# Altium PCB PCB2.PcbDoc (part 7 of 9)
Units mil, origin at the board's own origin, x right, y up, seen from the top; angles counter-clockwise.
Board outline 7580 x 7350 mil, 6 copper layers (Signal 1, Ground 1, 2V5 and 0V6, n2V5 and n0V6, Ground 2, Signal 2), stack 52.268 mil thick; 572 components, 533 nets, 2081 pads, 679 vias.
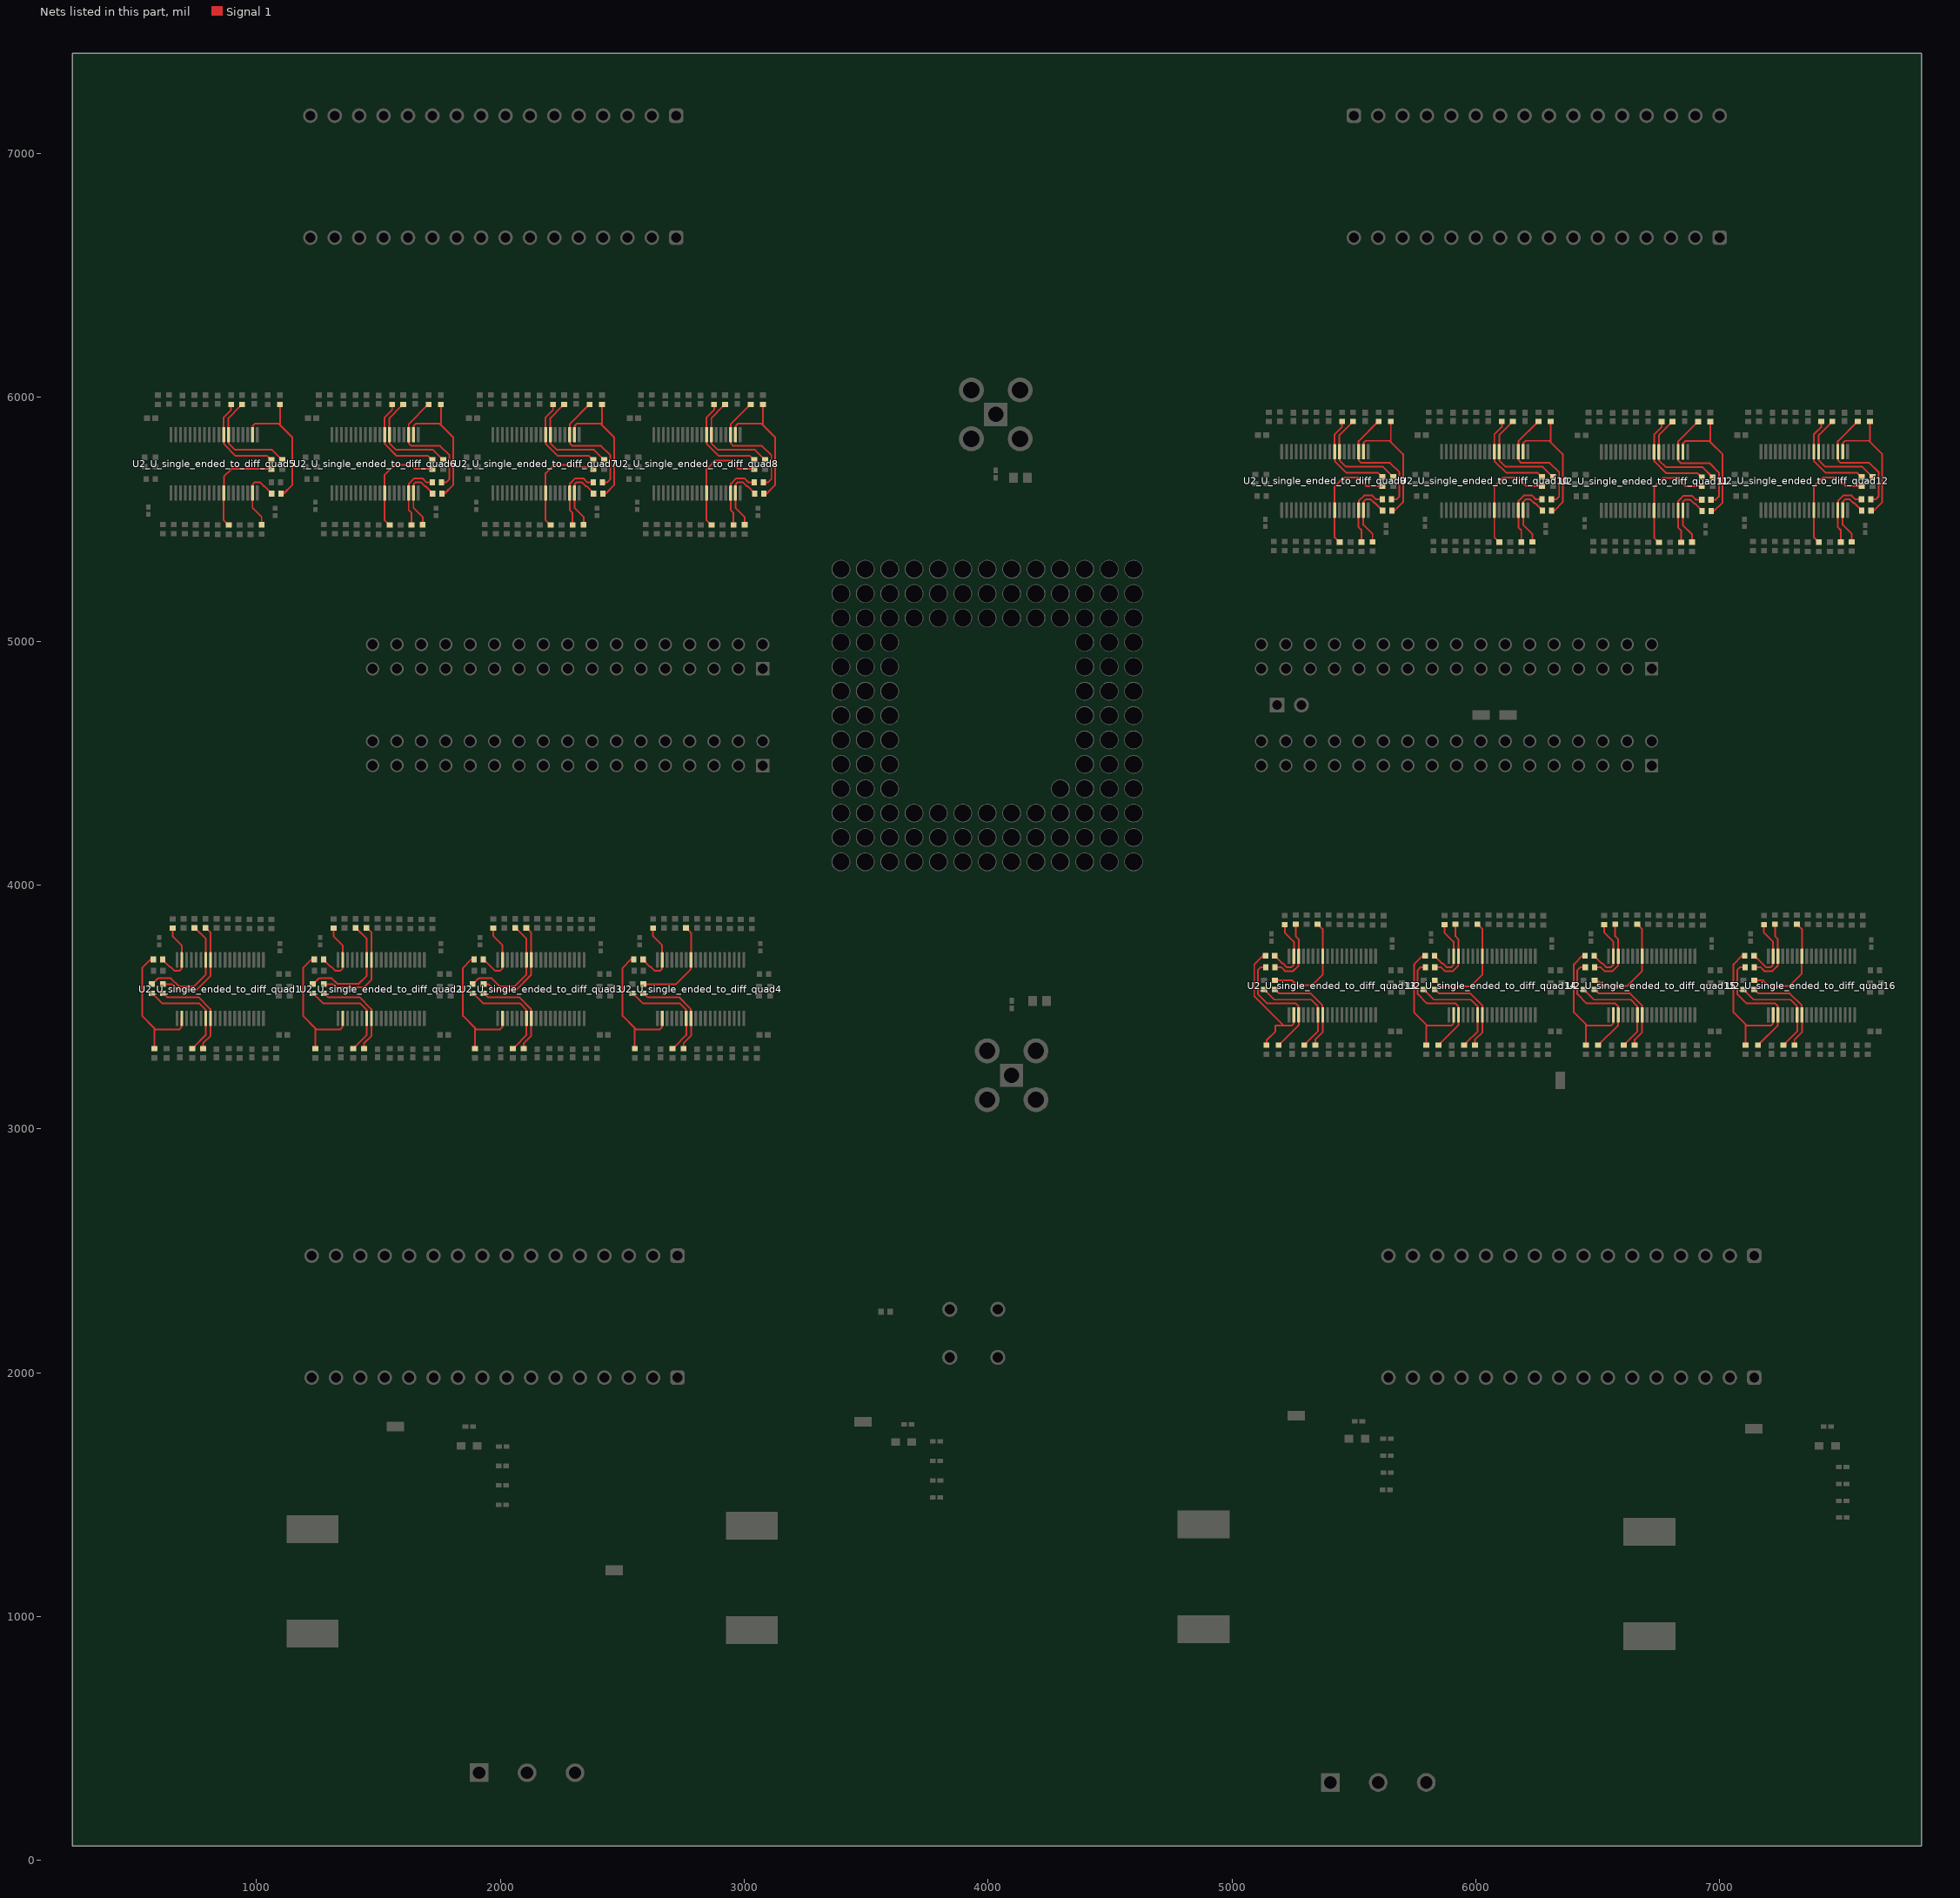
[diagram p11: the nets of this part, all layers, seen from the top]

## Via types
v1: diameter 24, hole 12, Signal 1 to Signal 2, tented both sides, 679 vias

## Nets (pads, with @x,y where several pads share a name; then routed paths per layer and width w, separated by ;. In a path a pad name is that pad's centre, name@x,y a point inside that pad or via, vN(x,y) a via of type N, cw(c..) or ccw(c..) an arc to the next point about the centre after c; other vN are vias at no path point) (continued)
NetR8_U_single_ended_to_diff_quad6_1: R8_U_single_ended_to_diff_quad6.1 R9_U_single_ended_to_diff_quad6.2 U2_U_single_ended_to_diff_quad6.3 | length 517.5
  Signal 1 w7: R9_U_single_ended_to_diff_quad6.2@1706.68,5971.1 1705.5,5971.1 1624.48,5890.08 U2_U_single_ended_to_diff_quad6.3@1624.48,5847.28 1625.26,5846.5 1625.26,5811.54 1635.8,5801 1753.4,5801 1791.89,5762.51 1791.89,5664.16 1779.5,5651.77 R8_U_single_ended_to_diff_quad6.1@1759.48,5651.77
NetR8_U_single_ended_to_diff_quad6_2: R8_U_single_ended_to_diff_quad6.2 R10_U_single_ended_to_diff_quad6.2 U2_U_single_ended_to_diff_quad6.36 | length 287.1
  Signal 1 w7: R10_U_single_ended_to_diff_quad6.2@1636.68,5476.1 1636.68,5525.28 1624.48,5537.48 1624.48,5634.84 1625.26,5635.62 1625.26,5645.81 1647.07,5667.62 1680.62,5667.62 1696.47,5651.77 R8_U_single_ended_to_diff_quad6.2@1721.68,5651.77
NetR8_U_single_ended_to_diff_quad7_1: R8_U_single_ended_to_diff_quad7.1 R9_U_single_ended_to_diff_quad7.2 U2_U_single_ended_to_diff_quad7.3 | length 517.5
  Signal 1 w7: R9_U_single_ended_to_diff_quad7.2@2366.68,5971.1 2365.5,5971.1 2284.48,5890.08 U2_U_single_ended_to_diff_quad7.3@2284.48,5847.28 2285.26,5846.5 2285.26,5811.54 2295.8,5801 2413.4,5801 2451.89,5762.51 2451.89,5664.16 2439.5,5651.77 R8_U_single_ended_to_diff_quad7.1@2419.48,5651.77
NetR8_U_single_ended_to_diff_quad7_2: R8_U_single_ended_to_diff_quad7.2 R10_U_single_ended_to_diff_quad7.2 U2_U_single_ended_to_diff_quad7.36 | length 287.1
  Signal 1 w7: R10_U_single_ended_to_diff_quad7.2@2296.68,5476.1 2296.68,5525.28 2284.48,5537.48 2284.48,5634.84 2285.26,5635.62 2285.26,5645.81 2307.07,5667.62 2340.62,5667.62 2356.47,5651.77 R8_U_single_ended_to_diff_quad7.2@2381.68,5651.77
NetR8_U_single_ended_to_diff_quad8_1: R8_U_single_ended_to_diff_quad8.1 R9_U_single_ended_to_diff_quad8.2 U2_U_single_ended_to_diff_quad8.3 | length 517.5
  Signal 1 w7: R9_U_single_ended_to_diff_quad8.2@3026.68,5971.1 3025.5,5971.1 2944.48,5890.08 U2_U_single_ended_to_diff_quad8.3@2944.48,5847.28 2945.26,5846.5 2945.26,5811.54 2955.8,5801 3073.4,5801 3111.89,5762.51 3111.89,5664.16 3099.5,5651.77 R8_U_single_ended_to_diff_quad8.1@3079.48,5651.77
NetR8_U_single_ended_to_diff_quad8_2: R8_U_single_ended_to_diff_quad8.2 R10_U_single_ended_to_diff_quad8.2 U2_U_single_ended_to_diff_quad8.36 | length 287.1
  Signal 1 w7: R10_U_single_ended_to_diff_quad8.2@2956.68,5476.1 2956.68,5525.28 2944.48,5537.48 2944.48,5634.84 2945.26,5635.62 2945.26,5645.81 2967.07,5667.62 3000.62,5667.62 3016.47,5651.77 R8_U_single_ended_to_diff_quad8.2@3041.68,5651.77
NetR8_U_single_ended_to_diff_quad9_1: R8_U_single_ended_to_diff_quad9.1 R9_U_single_ended_to_diff_quad9.2 U2_U_single_ended_to_diff_quad9.3 | length 517.5
  Signal 1 w7: R9_U_single_ended_to_diff_quad9.2@5601.68,5901.1 5600.5,5901.1 5519.48,5820.08 U2_U_single_ended_to_diff_quad9.3@5519.48,5777.28 5520.26,5776.5 5520.26,5741.54 5530.8,5731 5648.4,5731 5686.89,5692.51 5686.89,5594.16 5674.5,5581.77 R8_U_single_ended_to_diff_quad9.1@5654.48,5581.77
NetR8_U_single_ended_to_diff_quad9_2: R8_U_single_ended_to_diff_quad9.2 R10_U_single_ended_to_diff_quad9.2 U2_U_single_ended_to_diff_quad9.36 | length 287.1
  Signal 1 w7: R10_U_single_ended_to_diff_quad9.2@5531.68,5406.1 5531.68,5455.28 5519.48,5467.48 5519.48,5564.84 5520.26,5565.62 5520.26,5575.81 5542.07,5597.62 5575.62,5597.62 5591.47,5581.77 R8_U_single_ended_to_diff_quad9.2@5616.68,5581.77
NetR8_U_single_ended_to_diff_quad10_1: R8_U_single_ended_to_diff_quad10.1 R9_U_single_ended_to_diff_quad10.2 U2_U_single_ended_to_diff_quad10.3 | length 517.5
  Signal 1 w7: R9_U_single_ended_to_diff_quad10.2@6256.68,5901.1 6255.5,5901.1 6174.48,5820.08 U2_U_single_ended_to_diff_quad10.3@6174.48,5777.28 6175.26,5776.5 6175.26,5741.54 6185.8,5731 6303.4,5731 6341.89,5692.51 6341.89,5594.16 6329.5,5581.77 R8_U_single_ended_to_diff_quad10.1@6309.48,5581.77
NetR8_U_single_ended_to_diff_quad10_2: R8_U_single_ended_to_diff_quad10.2 R10_U_single_ended_to_diff_quad10.2 U2_U_single_ended_to_diff_quad10.36 | length 287.1
  Signal 1 w7: R10_U_single_ended_to_diff_quad10.2@6186.68,5406.1 6186.68,5455.28 6174.48,5467.48 6174.48,5564.84 6175.26,5565.62 6175.26,5575.81 6197.07,5597.62 6230.62,5597.62 6246.47,5581.77 R8_U_single_ended_to_diff_quad10.2@6271.68,5581.77
NetR8_U_single_ended_to_diff_quad11_1: R8_U_single_ended_to_diff_quad11.1 R9_U_single_ended_to_diff_quad11.2 U2_U_single_ended_to_diff_quad11.3 | length 517.5
  Signal 1 w7: R9_U_single_ended_to_diff_quad11.2@6911.68,5900 6910.5,5900 6829.48,5818.98 U2_U_single_ended_to_diff_quad11.3@6829.48,5776.18 6830.26,5775.4 6830.26,5740.44 6840.8,5729.9 6958.4,5729.9 6996.89,5691.41 6996.89,5593.06 6984.5,5580.67 R8_U_single_ended_to_diff_quad11.1@6964.48,5580.67
NetR8_U_single_ended_to_diff_quad11_2: R8_U_single_ended_to_diff_quad11.2 R10_U_single_ended_to_diff_quad11.2 U2_U_single_ended_to_diff_quad11.36 | length 287.1
  Signal 1 w7: R10_U_single_ended_to_diff_quad11.2@6841.68,5405 6841.68,5454.17 6829.48,5466.38 6829.48,5563.74 6830.26,5564.52 6830.26,5574.71 6852.07,5596.52 6885.62,5596.52 6901.47,5580.67 R8_U_single_ended_to_diff_quad11.2@6926.68,5580.67
NetR8_U_single_ended_to_diff_quad12_1: R8_U_single_ended_to_diff_quad12.1 R9_U_single_ended_to_diff_quad12.2 U2_U_single_ended_to_diff_quad12.3 | length 517.5
  Signal 1 w7: R9_U_single_ended_to_diff_quad12.2@7566.68,5901.1 7565.5,5901.1 7484.48,5820.08 U2_U_single_ended_to_diff_quad12.3@7484.48,5777.28 7485.26,5776.5 7485.26,5741.54 7495.8,5731 7613.4,5731 7651.89,5692.51 7651.89,5594.16 7639.5,5581.77 R8_U_single_ended_to_diff_quad12.1@7619.48,5581.77
NetR8_U_single_ended_to_diff_quad12_2: R8_U_single_ended_to_diff_quad12.2 R10_U_single_ended_to_diff_quad12.2 U2_U_single_ended_to_diff_quad12.36 | length 287.1
  Signal 1 w7: R10_U_single_ended_to_diff_quad12.2@7496.68,5406.1 7496.68,5455.28 7484.48,5467.48 7484.48,5564.84 7485.26,5565.62 7485.26,5575.81 7507.07,5597.62 7540.62,5597.62 7556.47,5581.77 R8_U_single_ended_to_diff_quad12.2@7581.68,5581.77
NetR8_U_single_ended_to_diff_quad13_1: R8_U_single_ended_to_diff_quad13.1 R9_U_single_ended_to_diff_quad13.2 U2_U_single_ended_to_diff_quad13.3 | length 517.5
  Signal 1 w7: R8_U_single_ended_to_diff_quad13.1@5138.89,3663.23 5118.86,3663.23 5106.48,3650.84 5106.48,3552.49 5144.97,3514 5262.56,3514 5273.11,3503.46 5273.11,3468.5 U2_U_single_ended_to_diff_quad13.3@5273.89,3467.72 5273.89,3424.92 5192.86,3343.9 R9_U_single_ended_to_diff_quad13.2@5191.68,3343.9
NetR8_U_single_ended_to_diff_quad13_2: R8_U_single_ended_to_diff_quad13.2 R10_U_single_ended_to_diff_quad13.2 U2_U_single_ended_to_diff_quad13.36 | length 287.1
  Signal 1 w7: R8_U_single_ended_to_diff_quad13.2@5176.68,3663.23 5201.89,3663.23 5217.74,3647.38 5251.29,3647.38 5273.11,3669.19 5273.11,3679.38 5273.89,3680.16 5273.89,3777.52 5261.68,3789.72 R10_U_single_ended_to_diff_quad13.2@5261.68,3838.9
NetR8_U_single_ended_to_diff_quad14_1: R8_U_single_ended_to_diff_quad14.1 R9_U_single_ended_to_diff_quad14.2 U2_U_single_ended_to_diff_quad14.3 | length 517.5
  Signal 1 w7: R8_U_single_ended_to_diff_quad14.1@5793.89,3663.23 5773.86,3663.23 5761.48,3650.84 5761.48,3552.49 5799.97,3514 5917.56,3514 5928.11,3503.46 5928.11,3468.5 U2_U_single_ended_to_diff_quad14.3@5928.89,3467.72 5928.89,3424.92 5847.86,3343.9 R9_U_single_ended_to_diff_quad14.2@5846.68,3343.9
NetR8_U_single_ended_to_diff_quad14_2: R8_U_single_ended_to_diff_quad14.2 R10_U_single_ended_to_diff_quad14.2 U2_U_single_ended_to_diff_quad14.36 | length 287.1
  Signal 1 w7: R8_U_single_ended_to_diff_quad14.2@5831.68,3663.23 5856.89,3663.23 5872.74,3647.38 5906.29,3647.38 5928.11,3669.19 5928.11,3679.38 5928.89,3680.16 5928.89,3777.52 5916.68,3789.72 R10_U_single_ended_to_diff_quad14.2@5916.68,3838.9
NetR8_U_single_ended_to_diff_quad15_1: R8_U_single_ended_to_diff_quad15.1 R9_U_single_ended_to_diff_quad15.2 U2_U_single_ended_to_diff_quad15.3 | length 517.5
  Signal 1 w7: R8_U_single_ended_to_diff_quad15.1@6448.89,3663.23 6428.86,3663.23 6416.48,3650.84 6416.48,3552.49 6454.97,3514 6572.56,3514 6583.11,3503.46 6583.11,3468.5 U2_U_single_ended_to_diff_quad15.3@6583.89,3467.72 6583.89,3424.92 6502.86,3343.9 R9_U_single_ended_to_diff_quad15.2@6501.68,3343.9
NetR8_U_single_ended_to_diff_quad15_2: R8_U_single_ended_to_diff_quad15.2 R10_U_single_ended_to_diff_quad15.2 U2_U_single_ended_to_diff_quad15.36 | length 287.1
  Signal 1 w7: R8_U_single_ended_to_diff_quad15.2@6486.68,3663.23 6511.89,3663.23 6527.74,3647.38 6561.29,3647.38 6583.11,3669.19 6583.11,3679.38 6583.89,3680.16 6583.89,3777.52 6571.68,3789.72 R10_U_single_ended_to_diff_quad15.2@6571.68,3838.9
NetR8_U_single_ended_to_diff_quad16_1: R8_U_single_ended_to_diff_quad16.1 R9_U_single_ended_to_diff_quad16.2 U2_U_single_ended_to_diff_quad16.3 | length 517.5
  Signal 1 w7: R8_U_single_ended_to_diff_quad16.1@7103.89,3663.23 7083.86,3663.23 7071.48,3650.84 7071.48,3552.49 7109.97,3514 7227.56,3514 7238.11,3503.46 7238.11,3468.5 U2_U_single_ended_to_diff_quad16.3@7238.89,3467.72 7238.89,3424.92 7157.86,3343.9 R9_U_single_ended_to_diff_quad16.2@7156.68,3343.9
NetR8_U_single_ended_to_diff_quad16_2: R8_U_single_ended_to_diff_quad16.2 R10_U_single_ended_to_diff_quad16.2 U2_U_single_ended_to_diff_quad16.36 | length 287.1
  Signal 1 w7: R8_U_single_ended_to_diff_quad16.2@7141.68,3663.23 7166.89,3663.23 7182.74,3647.38 7216.29,3647.38 7238.11,3669.19 7238.11,3679.38 7238.89,3680.16 7238.89,3777.52 7226.68,3789.72 R10_U_single_ended_to_diff_quad16.2@7226.68,3838.9
NetR11_U_single_ended_to_diff_quad1_2: R11_U_single_ended_to_diff_quad1.2 R13_U_single_ended_to_diff_quad1.1 U2_U_single_ended_to_diff_quad1.2 | length 565.9
  Signal 1 w7: R13_U_single_ended_to_diff_quad1.1@577.78,3695 566.68,3695 531.68,3660 531.68,3463.13 581.68,3413.13 ; R11_U_single_ended_to_diff_quad1.2@581.68,3328.9 581.68,3413.13 ; U2_U_single_ended_to_diff_quad1.2@694.2,3452.72 693.42,3451.94 693.42,3416.98 684.67,3408.22 586.59,3408.22 581.68,3413.13
NetR11_U_single_ended_to_diff_quad2_2: R11_U_single_ended_to_diff_quad2.2 R13_U_single_ended_to_diff_quad2.1 U2_U_single_ended_to_diff_quad2.2 | length 565.9
  Signal 1 w7: R13_U_single_ended_to_diff_quad2.1@1237.79,3695 1226.68,3695 1191.68,3660 1191.68,3463.13 1241.68,3413.13 ; R11_U_single_ended_to_diff_quad2.2@1241.68,3328.9 1241.68,3413.13 ; U2_U_single_ended_to_diff_quad2.2@1354.2,3452.72 1353.42,3451.94 1353.42,3416.98 1344.67,3408.22 1246.59,3408.22 1241.68,3413.13
NetR11_U_single_ended_to_diff_quad3_2: R11_U_single_ended_to_diff_quad3.2 R13_U_single_ended_to_diff_quad3.1 U2_U_single_ended_to_diff_quad3.2 | length 565.9
  Signal 1 w7: R13_U_single_ended_to_diff_quad3.1@1892.79,3695 1881.68,3695 1846.68,3660 1846.68,3463.13 1896.68,3413.13 ; R11_U_single_ended_to_diff_quad3.2@1896.68,3328.9 1896.68,3413.13 ; U2_U_single_ended_to_diff_quad3.2@2009.2,3452.72 2008.42,3451.94 2008.42,3416.98 1999.67,3408.22 1901.59,3408.22 1896.68,3413.13
NetR11_U_single_ended_to_diff_quad4_2: R11_U_single_ended_to_diff_quad4.2 R13_U_single_ended_to_diff_quad4.1 U2_U_single_ended_to_diff_quad4.2 | length 565.9
  Signal 1 w7: R13_U_single_ended_to_diff_quad4.1@2547.78,3695 2536.68,3695 2501.68,3660 2501.68,3463.13 2551.68,3413.13 ; R11_U_single_ended_to_diff_quad4.2@2551.68,3328.9 2551.68,3413.13 ; U2_U_single_ended_to_diff_quad4.2@2664.2,3452.72 2663.42,3451.94 2663.42,3416.98 2654.67,3408.22 2556.59,3408.22 2551.68,3413.13
NetR11_U_single_ended_to_diff_quad5_2: R11_U_single_ended_to_diff_quad5.2 R13_U_single_ended_to_diff_quad5.1 U2_U_single_ended_to_diff_quad5.2 | length 565.9
  Signal 1 w7: U2_U_single_ended_to_diff_quad5.2@984.16,5847.28 984.94,5848.06 984.94,5883.02 993.7,5891.78 1091.78,5891.78 1096.68,5886.87 ; R11_U_single_ended_to_diff_quad5.2@1096.68,5971.1 1096.68,5886.87 ; R13_U_single_ended_to_diff_quad5.1@1100.58,5605 1111.68,5605 1146.68,5640 1146.68,5836.87 1096.68,5886.87
NetR11_U_single_ended_to_diff_quad6_2: R11_U_single_ended_to_diff_quad6.2 R13_U_single_ended_to_diff_quad6.1 U2_U_single_ended_to_diff_quad6.2 | length 565.9
  Signal 1 w7: U2_U_single_ended_to_diff_quad6.2@1644.16,5847.28 1644.94,5848.06 1644.94,5883.02 1653.7,5891.78 1751.78,5891.78 1756.68,5886.87 ; R11_U_single_ended_to_diff_quad6.2@1756.68,5971.1 1756.68,5886.87 ; R13_U_single_ended_to_diff_quad6.1@1760.58,5605 1771.68,5605 1806.68,5640 1806.68,5836.87 1756.68,5886.87
NetR11_U_single_ended_to_diff_quad7_2: R11_U_single_ended_to_diff_quad7.2 R13_U_single_ended_to_diff_quad7.1 U2_U_single_ended_to_diff_quad7.2 | length 565.9
  Signal 1 w7: U2_U_single_ended_to_diff_quad7.2@2304.16,5847.28 2304.94,5848.06 2304.94,5883.02 2313.7,5891.78 2411.78,5891.78 2416.68,5886.87 ; R11_U_single_ended_to_diff_quad7.2@2416.68,5971.1 2416.68,5886.87 ; R13_U_single_ended_to_diff_quad7.1@2420.58,5605 2431.68,5605 2466.68,5640 2466.68,5836.87 2416.68,5886.87
NetR11_U_single_ended_to_diff_quad8_2: R11_U_single_ended_to_diff_quad8.2 R13_U_single_ended_to_diff_quad8.1 U2_U_single_ended_to_diff_quad8.2 | length 565.9
  Signal 1 w7: U2_U_single_ended_to_diff_quad8.2@2964.16,5847.28 2964.94,5848.06 2964.94,5883.02 2973.7,5891.78 3071.78,5891.78 3076.68,5886.87 ; R11_U_single_ended_to_diff_quad8.2@3076.68,5971.1 3076.68,5886.87 ; R13_U_single_ended_to_diff_quad8.1@3080.58,5605 3091.68,5605 3126.68,5640 3126.68,5836.87 3076.68,5886.87
NetR11_U_single_ended_to_diff_quad9_2: R11_U_single_ended_to_diff_quad9.2 R13_U_single_ended_to_diff_quad9.1 U2_U_single_ended_to_diff_quad9.2 | length 565.9
  Signal 1 w7: U2_U_single_ended_to_diff_quad9.2@5539.16,5777.28 5539.94,5778.06 5539.94,5813.02 5548.7,5821.78 5646.78,5821.78 5651.68,5816.87 ; R11_U_single_ended_to_diff_quad9.2@5651.68,5901.1 5651.68,5816.87 ; R13_U_single_ended_to_diff_quad9.1@5655.58,5535 5666.68,5535 5701.68,5570 5701.68,5766.87 5651.68,5816.87
NetR11_U_single_ended_to_diff_quad10_2: R11_U_single_ended_to_diff_quad10.2 R13_U_single_ended_to_diff_quad10.1 U2_U_single_ended_to_diff_quad10.2 | length 565.9
  Signal 1 w7: U2_U_single_ended_to_diff_quad10.2@6194.16,5777.28 6194.94,5778.06 6194.94,5813.02 6203.7,5821.78 6301.78,5821.78 6306.68,5816.87 ; R11_U_single_ended_to_diff_quad10.2@6306.68,5901.1 6306.68,5816.87 ; R13_U_single_ended_to_diff_quad10.1@6310.58,5535 6321.68,5535 6356.68,5570 6356.68,5766.87 6306.68,5816.87
NetR11_U_single_ended_to_diff_quad11_2: R11_U_single_ended_to_diff_quad11.2 R13_U_single_ended_to_diff_quad11.1 U2_U_single_ended_to_diff_quad11.2 | length 565.9
  Signal 1 w7: U2_U_single_ended_to_diff_quad11.2@6849.16,5776.18 6849.94,5776.96 6849.94,5811.92 6858.7,5820.68 6956.78,5820.68 6961.68,5815.77 ; R11_U_single_ended_to_diff_quad11.2@6961.68,5900 6961.68,5815.77 ; R13_U_single_ended_to_diff_quad11.1@6965.58,5533.9 6976.68,5533.9 7011.68,5568.9 7011.68,5765.77 6961.68,5815.77
NetR11_U_single_ended_to_diff_quad12_2: R11_U_single_ended_to_diff_quad12.2 R13_U_single_ended_to_diff_quad12.1 U2_U_single_ended_to_diff_quad12.2 | length 565.9
  Signal 1 w7: U2_U_single_ended_to_diff_quad12.2@7504.16,5777.28 7504.94,5778.06 7504.94,5813.02 7513.7,5821.78 7611.78,5821.78 7616.68,5816.87 ; R11_U_single_ended_to_diff_quad12.2@7616.68,5901.1 7616.68,5816.87 ; R13_U_single_ended_to_diff_quad12.1@7620.58,5535 7631.68,5535 7666.68,5570 7666.68,5766.87 7616.68,5816.87
NetR11_U_single_ended_to_diff_quad13_2: R11_U_single_ended_to_diff_quad13.2 R13_U_single_ended_to_diff_quad13.1 U2_U_single_ended_to_diff_quad13.2 | length 572
  Signal 1 w7: R13_U_single_ended_to_diff_quad13.1@5137.78,3710 5126.68,3710 5091.68,3675 5091.68,3545 5213.46,3423.22 ; R11_U_single_ended_to_diff_quad13.2@5141.68,3343.9 5141.68,3363.22 5178.46,3400 5178.46,3423.22 5213.46,3423.22 ; U2_U_single_ended_to_diff_quad13.2@5254.2,3467.72 5253.42,3466.94 5253.42,3431.98 5244.67,3423.22 5213.46,3423.22
NetR11_U_single_ended_to_diff_quad14_2: R11_U_single_ended_to_diff_quad14.2 R13_U_single_ended_to_diff_quad14.1 U2_U_single_ended_to_diff_quad14.2 | length 565.9
  Signal 1 w7: R13_U_single_ended_to_diff_quad14.1@5792.78,3710 5781.68,3710 5746.68,3675 5746.68,3478.13 5796.68,3428.13 ; R11_U_single_ended_to_diff_quad14.2@5796.68,3343.9 5796.68,3428.13 ; U2_U_single_ended_to_diff_quad14.2@5909.2,3467.72 5908.42,3466.94 5908.42,3431.98 5899.67,3423.22 5801.59,3423.22 5796.68,3428.13
NetR11_U_single_ended_to_diff_quad15_2: R11_U_single_ended_to_diff_quad15.2 R13_U_single_ended_to_diff_quad15.1 U2_U_single_ended_to_diff_quad15.2 | length 565.9
  Signal 1 w7: R13_U_single_ended_to_diff_quad15.1@6447.78,3710 6436.68,3710 6401.68,3675 6401.68,3478.13 6451.68,3428.13 ; R11_U_single_ended_to_diff_quad15.2@6451.68,3343.9 6451.68,3428.13 ; U2_U_single_ended_to_diff_quad15.2@6564.2,3467.72 6563.42,3466.94 6563.42,3431.98 6554.67,3423.22 6456.59,3423.22 6451.68,3428.13
NetR11_U_single_ended_to_diff_quad16_2: R11_U_single_ended_to_diff_quad16.2 R13_U_single_ended_to_diff_quad16.1 U2_U_single_ended_to_diff_quad16.2 | length 565.9
  Signal 1 w7: R13_U_single_ended_to_diff_quad16.1@7102.78,3710 7091.68,3710 7056.68,3675 7056.68,3478.13 7106.68,3428.13 ; R11_U_single_ended_to_diff_quad16.2@7106.68,3343.9 7106.68,3428.13 ; U2_U_single_ended_to_diff_quad16.2@7219.2,3467.72 7218.42,3466.94 7218.42,3431.98 7209.67,3423.22 7111.59,3423.22 7106.68,3428.13
NetR12_U_single_ended_to_diff_quad1_2: R12_U_single_ended_to_diff_quad1.2 R13_U_single_ended_to_diff_quad1.2 U2_U_single_ended_to_diff_quad1.37 | length 283.6
  Signal 1 w7: R13_U_single_ended_to_diff_quad1.2@616.66,3696.08 616.66,3692.74 645.17,3664.23 648.52,3664.23 664.37,3648.38 684.67,3648.38 693.42,3657.13 693.42,3692.09 U2_U_single_ended_to_diff_quad1.37@694.2,3692.87 694.2,3752.84 656.68,3790.36 R12_U_single_ended_to_diff_quad1.2@656.68,3822.8
NetR12_U_single_ended_to_diff_quad2_2: R12_U_single_ended_to_diff_quad2.2 R13_U_single_ended_to_diff_quad2.2 U2_U_single_ended_to_diff_quad2.37 | length 283.6
  Signal 1 w7: R13_U_single_ended_to_diff_quad2.2@1276.66,3696.08 1276.66,3692.74 1305.17,3664.23 1308.52,3664.23 1324.37,3648.38 1344.67,3648.38 1353.42,3657.13 1353.42,3692.09 U2_U_single_ended_to_diff_quad2.37@1354.2,3692.87 1354.2,3752.84 1316.68,3790.36 R12_U_single_ended_to_diff_quad2.2@1316.68,3822.8
NetR12_U_single_ended_to_diff_quad3_2: R12_U_single_ended_to_diff_quad3.2 R13_U_single_ended_to_diff_quad3.2 U2_U_single_ended_to_diff_quad3.37 | length 283
  Signal 1 w7: R13_U_single_ended_to_diff_quad3.2@1930.58,3695 1930.58,3693.82 1938.6,3685.8 1941.95,3685.8 1979.37,3648.38 1999.67,3648.38 2008.42,3657.13 2008.42,3692.09 U2_U_single_ended_to_diff_quad3.37@2009.2,3692.87 2009.2,3752.84 1971.68,3790.36 R12_U_single_ended_to_diff_quad3.2@1971.68,3822.8
NetR12_U_single_ended_to_diff_quad4_2: R12_U_single_ended_to_diff_quad4.2 R13_U_single_ended_to_diff_quad4.2 U2_U_single_ended_to_diff_quad4.37 | length 283.6
  Signal 1 w7: R13_U_single_ended_to_diff_quad4.2@2586.66,3696.08 2586.66,3692.74 2615.17,3664.23 2618.52,3664.23 2634.37,3648.38 2654.67,3648.38 2663.42,3657.13 2663.42,3692.09 U2_U_single_ended_to_diff_quad4.37@2664.2,3692.87 2664.2,3752.84 2626.68,3790.36 R12_U_single_ended_to_diff_quad4.2@2626.68,3822.8
NetR12_U_single_ended_to_diff_quad5_2: R12_U_single_ended_to_diff_quad5.2 R13_U_single_ended_to_diff_quad5.2 U2_U_single_ended_to_diff_quad5.37 | length 283.6
  Signal 1 w7: R12_U_single_ended_to_diff_quad5.2@1021.68,5477.2 1021.68,5509.64 984.16,5547.16 U2_U_single_ended_to_diff_quad5.37@984.16,5607.13 984.94,5607.91 984.94,5642.87 993.7,5651.62 1014,5651.62 1029.85,5635.77 1033.19,5635.77 1061.7,5607.26 R13_U_single_ended_to_diff_quad5.2@1061.7,5603.92